# KiCad board 8851_HW-U1-VCU118_REV2-0_071417.kicad_pcb (continued)
## Routing (per net, layer and track width the routed paths; a pad name or vN(x,y) marks a point on that pad's centre or on a via; arc(x,y) is an arc through that point) (continued)
  05_SIG2 w0.234: v2(129.17,43.15) 128.93,42.91 arc(130.33,41.97) 128.68,42.3 128.68,40.88 arc(129.31,41) 128.77,40.64 128.89,40.53
PCIE_RX13_N: length 71.9
  TOP w0.145: U2.B71 115.8,5.44 arc(115.75,5.66) 115.63,5.85 115.61,5.87 arc(116.56,6.51) 115.43,6.29 115.43,9.35 arc(115.28,9.73) 114.9,9.88 114.75,9.88 arc(114.69,9.9) 114.63,9.93 v3(114.32,10.24) ; v2(131.14,42.17) 130.65,42.66
  05_SIG2 w0.18: v3(114.32,10.24) 114.03,9.95 arc(113.97,9.91) 113.9,9.9 113.04,9.9 arc(113.62,11.3) 112.22,10.72 112.22,10.93 arc(112.28,11.08) 112.43,11.14 112.5,11.14 arc(112.69,11.22) 112.77,11.42 112.77,11.59 arc(112.69,11.78) 112.5,11.86 arc(112.69,12.33) 112.22,12.14 112.22,12.31 arc(112.3,12.5) 112.5,12.58 arc(112.7,12.67) 112.79,12.87 112.79,13.01 arc(112.7,13.21) 112.5,13.3 arc(112.69,13.77) 112.22,13.58 112.22,13.82 arc(112.16,14.14) 111.98,14.41 111.42,14.97 arc(112.25,15.52) 111.27,15.32 111.27,16.35 arc(112.66,16.08) 111.48,16.87 111.67,17.06 arc(111.83,17.29) 111.88,17.57 111.88,18.02 arc(111.8,18.46) 111.54,18.84 111.44,18.94 arc(111.31,19.14) 111.26,19.38 111.26,19.56 arc(113.03,19.21) 111.53,20.21 112.19,20.87 arc(112.93,21.37) 113.8,21.54 116.8,21.54 arc(117.12,21.6) 117.39,21.79 118.04,22.43 arc(118.41,22.72) 118.84,22.91 arc(119.16,23.05) 119.42,23.27 120.03,23.88 arc(120.17,24.03) 120.28,24.2 arc(120.32,24.28) 120.34,24.37 120.41,24.89 arc(120.41,24.89) 120.41,24.9 120.41,24.91 arc(120.55,25.26) 120.78,25.55 124.05,28.83 arc(124.16,28.99) 124.2,29.18 arc(124.26,29.5) 124.44,29.77 126.7,32.02 arc(127.41,33.09) 127.66,34.34 127.66,34.96 arc(127.88,36.08) 128.52,37.02 130.59,39.09 arc(131.03,39.76) 131.19,40.55 131.19,42.05 arc(131.18,42.11) v2(131.14,42.17)
PCIE_RX13_P: length 80.7
  TOP w0.145: v2(131.14,43.15) 130.65,43.64 ; U2.B70 114.81,5.44 arc(114.86,5.66) 114.98,5.85 115,5.87 arc(115.13,6.06) 115.18,6.29 115.18,9.35 arc(115.1,9.54) 114.9,9.62 114.75,9.62 arc(114.69,9.61) 114.64,9.58 v3(114.32,9.26)
  05_SIG2 w0.18: v3(114.32,9.26) 114.03,9.55 arc(113.97,9.59) 113.9,9.6 113.04,9.6 arc(113.83,11.51) 111.92,10.72 111.92,13.82 arc(111.88,14.02) 111.76,14.2 111.21,14.75 arc(112.52,15.63) 110.97,15.32 110.97,16.35 arc(112.94,15.96) 111.27,17.08 111.46,17.27 arc(111.55,17.41) 111.58,17.57 111.58,18.02 arc(111.52,18.35) 111.33,18.63 111.23,18.73 arc(112.75,19.74) 110.96,19.38 110.96,19.56 arc(113.31,19.09) 111.32,20.42 111.98,21.09 arc(112.82,21.64) 113.8,21.84 116.8,21.84 arc(117,21.88) 117.18,22 117.83,22.65 arc(118.26,22.98) 118.76,23.19 arc(119,23.3) 119.19,23.47 arc(119.2,23.47) 119.2,23.47 119.2,23.47 arc(119.3,23.58) 119.4,23.67 119.82,24.09 arc(119.93,24.22) 120.02,24.35 arc(120.04,24.38) 120.04,24.41 120.11,24.94 arc(120.11,24.95) 120.11,24.96 120.12,24.98 arc(120.29,25.4) 120.57,25.76 123.84,29.04 arc(123.88,29.1) 123.9,29.18 123.9,29.18 arc(123.99,29.61) 124.23,29.98 126.49,32.24 arc(127.13,33.2) 127.36,34.34 127.36,34.96 arc(127.61,36.19) 128.3,37.24 130.37,39.3 arc(130.75,39.88) 130.89,40.55 130.89,41.57 130.88,41.6 arc(130.84,41.72) 130.77,41.82 130.76,41.83
  05_SIG2 w0.234: v2(131.14,43.15) 130.88,42.89 arc(132.17,42.03) 130.65,42.33 130.65,42.1 arc(130.67,41.96) 130.76,41.83
PCIE_RX14_N: length 60.1
  TOP w0.145: v3(118.26,10.24) 118.57,9.93 arc(118.62,9.9) 118.69,9.88 118.84,9.88 arc(119.21,9.73) 119.37,9.35 119.37,6.29 arc(120.5,6.51) 119.54,5.87 119.56,5.85 arc(119.69,5.66) 119.73,5.44 U2.B75 ; v2(133.11,42.17) 132.62,42.66
  05_SIG2 w0.18: v3(118.26,10.24) 117.97,9.95 arc(117.91,9.91) 117.84,9.9 117.47,9.9 arc(117.68,10.39) 117.18,10.19 arc(117.1,10.39) 116.89,10.48 116.75,10.48 arc(116.55,10.39) 116.46,10.19 arc(116.38,9.99) 116.17,9.9 arc(116.81,11.44) 115.27,10.8 115.27,11.79 arc(115.36,12) 115.58,12.09 arc(115.79,12.18) 115.88,12.4 115.88,12.51 arc(115.79,12.72) 115.58,12.81 arc(115.79,13.33) 115.27,13.12 115.27,14.44 arc(115.33,14.7) 115.47,14.93 arc(115.6,15.12) 115.65,15.35 115.65,16.52 arc(115.57,16.95) 115.32,17.32 arc(115.24,17.44) 115.21,17.58 115.21,17.95 arc(115.26,18.2) 115.4,18.42 arc(115.68,18.83) 115.78,19.31 arc(116.08,20.04) 116.8,20.34 117.17,20.34 arc(118.01,20.5) 118.72,20.98 121.14,23.4 arc(121.4,23.8) 121.5,24.27 121.5,24.48 arc(121.54,24.69) 121.66,24.86 125.7,28.9 125.71,28.92 arc(125.8,29.03) 125.91,29.12 125.91,29.12 arc(126.23,29.45) 126.35,29.9 arc(126.4,30.1) 126.51,30.26 127.6,31.35 arc(128.52,32.72) 128.84,34.34 128.91,35.39 arc(129.02,35.83) 129.28,36.21 132.28,39.21 arc(132.9,40.12) 133.15,41.18 arc(133.15,41.19) 133.15,41.19 arc(133.16,41.26) 133.16,41.33 133.16,41.51 arc(133.16,41.56) 133.15,41.61 arc(133.13,41.7) 133.11,41.78 arc(133.17,41.79) 133.11,41.79 v2(133.11,42.17)
PCIE_RX14_P: length 64.6
  TOP w0.145: v2(133.11,43.15) 132.62,43.64 ; v3(118.26,9.26) 118.58,9.58 arc(118.63,9.61) 118.69,9.62 118.84,9.62 arc(119.03,9.54) 119.11,9.35 119.11,6.29 arc(119.07,6.06) 118.94,5.87 118.92,5.85 arc(118.79,5.66) 118.75,5.44 U2.B74
  05_SIG2 w0.18: v3(118.26,9.26) 117.97,9.55 arc(117.91,9.59) 117.84,9.6 116.17,9.6 arc(117.02,11.65) 114.97,10.8 114.97,14.44 arc(116.87,14.06) 115.26,15.14 arc(115.33,15.24) 115.35,15.35 115.35,16.52 arc(115.29,16.84) 115.11,17.11 arc(114.96,17.33) 114.91,17.58 114.91,17.95 arc(114.98,18.32) 115.19,18.63 arc(115.4,18.94) 115.48,19.31 arc(115.86,20.25) 116.8,20.64 117.17,20.64 arc(117.89,20.78) 118.5,21.19 120.93,23.61 arc(121.13,23.91) 121.2,24.27 121.2,24.48 arc(121.26,24.8) 121.45,25.08 125.46,29.09 arc(125.59,29.24) 125.75,29.37 125.75,29.37 arc(125.97,29.6) 126.05,29.91 arc(126.12,30.22) 126.3,30.48 127.39,31.56 arc(128.24,32.83) 128.54,34.34 arc(128.54,34.34) 128.54,34.35 128.61,35.41 arc(128.74,35.96) 129.06,36.42 132.07,39.42 arc(132.63,40.24) 132.85,41.2 132.85,41.2 arc(132.86,41.27) 132.86,41.33 132.86,41.51 arc(132.86,41.54) 132.85,41.57 132.83,41.67 arc(132.83,41.68) 132.83,41.68 arc(132.78,41.76) 132.72,41.83
  05_SIG2 w0.234: v2(133.11,43.15) 132.85,42.89 arc(134.13,42.03) 132.62,42.33 132.62,42.1 arc(132.64,41.96) 132.72,41.83
PCIE_RX15_N: length 72.3
  TOP w0.145: v3(122.19,10.24) 122.51,9.93 arc(122.56,9.9) 122.62,9.88 122.78,9.88 arc(123.15,9.73) 123.31,9.35 123.31,6.29 arc(124.43,6.51) 123.48,5.87 123.5,5.85 arc(123.63,5.66) 123.67,5.44 U2.B79 ; v2(135.08,42.17) 134.58,42.66
  05_SIG2 w0.18: v3(122.19,10.24) 121.91,9.95 arc(121.85,9.91) 121.78,9.9 120.94,9.9 arc(121.58,11.43) 120.05,10.8 120.05,11.54 arc(120.13,11.74) 120.32,11.82 arc(120.52,11.9) 120.6,12.1 120.6,12.26 arc(120.52,12.46) 120.32,12.54 arc(120.52,13.01) 120.05,12.82 120.05,12.98 arc(120.13,13.18) 120.32,13.26 arc(120.52,13.34) 120.6,13.54 120.6,13.7 arc(120.52,13.9) 120.32,13.98 arc(120.52,14.45) 120.05,14.26 120.05,19.16 arc(120.26,20.25) 120.88,21.17 122.11,22.4 arc(122.27,22.64) 122.32,22.91 122.32,23.01 arc(122.37,23.23) 122.5,23.42 123,23.93 arc(123.01,23.94) 123.03,23.96 arc(123.2,24.19) 123.35,24.44 arc(123.61,24.81) 123.91,25.16 129.39,30.64 arc(130.01,31.56) 130.22,32.64 130.22,34.21 arc(136.61,32.94) 131.19,36.56 134.51,39.87 arc(134.96,40.56) 135.13,41.37 135.13,42.05 arc(135.11,42.11) v2(135.08,42.17)
PCIE_RX15_P: length 61
  TOP w0.145: v2(135.08,43.15) 134.58,43.64 ; v3(122.19,9.26) 122.52,9.58 arc(122.57,9.61) 122.62,9.62 122.78,9.62 arc(122.97,9.54) 123.05,9.35 123.05,6.29 arc(123.01,6.06) 122.88,5.87 122.86,5.85 arc(122.73,5.66) 122.69,5.44 U2.B78
  05_SIG2 w0.18: v3(122.19,9.26) 121.91,9.55 arc(121.85,9.59) 121.78,9.6 120.94,9.6 arc(121.79,11.64) 119.75,10.8 119.75,19.16 arc(119.99,20.36) 120.67,21.38 121.9,22.61 arc(121.99,22.75) 122.02,22.91 122.02,23.01 arc(123.74,22.66) 122.28,23.64 122.78,24.13 arc(122.79,24.14) 122.79,24.15 arc(122.95,24.36) 123.09,24.59 arc(123.37,25) 123.7,25.37 129.18,30.86 arc(129.73,31.67) 129.92,32.64 129.92,34.21 arc(130.2,35.6) 130.98,36.77 134.29,40.08 arc(134.69,40.67) 134.83,41.37 134.83,41.54 arc(134.82,41.57) 134.82,41.61 arc(134.78,41.72) 134.71,41.82 134.69,41.83
  05_SIG2 w0.234: v2(135.08,43.15) 134.81,42.89 arc(136.1,42.03) 134.58,42.33 134.58,42.1 arc(134.61,41.96) 134.69,41.83
PCIE_TX0_C_N: length 19.8
  TOP w0.145: 64.22,15.38 64.22,14.07 v3(64.15,14)
  10_GND w0.16: U2.A17 62.65,5.31 arc(62.6,5.53) 62.48,5.73 62.43,5.77 arc(63.21,6.3) 62.29,6.11 62.29,7.38 arc(64.27,6.99) 62.59,8.11 63.12,8.65 arc(63.61,9.38) 63.79,10.25 63.79,13.57 arc(63.8,13.64) 63.83,13.69 v3(64.15,14)
PCIE_TX0_C_P: length 21
  TOP w0.145: 63.09,15.38 63.09,14.07 v3(63.16,14)
  10_GND w0.16: U2.A16 61.66,5.37 arc(62.56,5.19) 61.8,5.7 61.88,5.78 arc(61.99,5.94) 62.03,6.12 62.03,7.38 arc(64.51,6.89) 62.4,8.3 62.94,8.83 arc(63.37,9.48) 63.53,10.25 63.53,13.57 arc(63.51,13.64) 63.48,13.69 v3(63.16,14)
PCIE_TX0_N: length 80.1
  TOP w0.145: 64.22,16.36 64.22,17.67 v3(64.15,17.74) ; v2(112.44,47.09) 112.93,47.58
  07_SIG3 w0.18: v3(64.15,17.74) 63.86,18.03 arc(64.15,18.22) 63.81,18.15 63.81,18.36 arc(63.82,18.46) 63.88,18.55 63.99,18.7 arc(64.02,18.74) 64.06,18.77 arc(64.25,18.85) 64.44,18.77 64.5,18.71 arc(64.88,18.71) 64.88,19.1 64.82,19.15 arc(65.28,19.35) 64.82,19.54 65.16,19.87 arc(65.3,20.09) 65.35,20.35 65.35,21.15 arc(65.43,21.34) 65.62,21.42 65.79,21.42 arc(66.06,21.69) 65.79,21.96 65.62,21.96 arc(65.82,22.42) 65.35,22.23 65.35,22.85 arc(65.23,23.5) 64.86,24.04 arc(66.37,25.05) 64.59,24.7 64.59,24.94 arc(64.73,25.63) 65.12,26.22 67.15,28.25 arc(67.87,28.73) 68.71,28.9 75.6,28.9 arc(75.92,28.96) 76.19,29.14 77.2,30.15 arc(77.93,30.64) 78.8,30.81 89.87,30.81 arc(90.79,30.99) 91.56,31.51 93.57,33.52 arc(94.77,34.32) 96.18,34.6 arc(97.15,34.79) 97.97,35.34 101.81,39.18 arc(103.04,40) 104.5,40.29 107.86,40.29 arc(108.05,40.33) 108.2,40.43 108.46,40.69 arc(108.59,40.89) 108.64,41.12 108.64,41.38 arc(109.5,41.24) 108.72,41.63 arc(108.74,41.66) 108.77,41.69 108.86,41.78
  07_SIG3 w0.234: 108.86,41.78 arc(108.96,41.93) 108.99,42.1 108.99,45.15 arc(109.13,45.48) 109.45,45.61 110.45,45.61 arc(110.61,45.64) 110.74,45.73 110.85,45.84 arc(110.91,45.94) 110.93,46.05 110.93,46.05 arc(110.97,46.24) 111.08,46.4 111.14,46.46 arc(111.27,46.56) 111.43,46.61 arc(111.67,46.68) 111.88,46.83 111.92,46.88 arc(112.05,46.98) 112.2,47.05 arc(112.32,47.08) v2(112.44,47.09)
PCIE_TX0_P: length 79.5
  TOP w0.145: v3(63.16,17.74) 63.09,17.67 63.09,16.36 ; v2(112.44,48.07) 112.93,48.57
  07_SIG3 w0.18: v3(63.16,17.74) 63.45,18.03 arc(63.49,18.09) 63.51,18.15 63.51,18.36 arc(63.54,18.56) 63.64,18.74 63.76,18.89 63.76,18.9 63.85,18.98 arc(63.85,18.99) 63.85,18.99 64.95,20.09 arc(65.03,20.21) 65.05,20.35 65.05,22.85 arc(64.95,23.38) 64.65,23.83 arc(66.65,25.17) 64.29,24.7 64.29,24.94 arc(64.45,25.75) 64.9,26.43 66.94,28.46 arc(67.75,29.01) 68.71,29.2 75.6,29.2 arc(75.8,29.24) 75.98,29.35 76.98,30.36 arc(77.82,30.92) 78.8,31.11 89.87,31.11 arc(90.67,31.27) 91.35,31.72 93.36,33.73 arc(94.65,34.59) 96.18,34.9 arc(97.03,35.07) 97.76,35.55 101.6,39.39 arc(102.93,40.28) 104.5,40.59 107.86,40.59 arc(107.93,40.61) 107.99,40.65 108.25,40.91 arc(108.32,41.01) 108.34,41.12 108.34,41.47 arc(108.33,41.55) 108.29,41.61 108.18,41.71
  07_SIG3 w0.234: v2(112.44,48.07) 112.12,47.75 arc(112.06,47.7) 111.99,47.66 arc(111.89,47.61) 111.78,47.59 arc(111.74,47.58) 111.7,47.58 111.28,47.58 arc(111.06,47.49) 110.96,47.26 110.96,47.08 arc(110.81,46.72) 110.46,46.57 109.36,46.57 arc(109.1,46.47) 108.99,46.21 arc(108.82,45.79) 108.39,45.61 108.33,45.61 arc(108.1,45.52) 108.01,45.29 108.01,42.13 arc(109.15,42.35) 108.18,41.71
PCIE_TX1_C_N: length 18
  TOP w0.145: v3(68.45,17.25) 68.52,17.32 68.52,18.63
  10_GND w0.16: U2.A22 67.57,5.33 arc(67.53,5.52) 67.42,5.68 67.35,5.75 arc(68.13,6.28) 67.21,6.09 67.21,7.37 arc(67.32,7.91) 67.62,8.38 67.83,8.58 arc(68.02,8.86) 68.09,9.2 68.09,16.82 arc(68.1,16.89) 68.13,16.94 v3(68.45,17.25)
PCIE_TX1_C_P: length 15.7
  TOP w0.145: v3(67.46,17.25) 67.39,17.32 67.39,18.63
  10_GND w0.16: U2.A21 66.58,5.3 arc(66.63,5.52) 66.75,5.7 arc(66.9,5.92) 66.95,6.18 66.95,7.37 arc(67.08,8.01) 67.44,8.56 67.64,8.76 arc(67.78,8.96) 67.83,9.2 67.83,16.82 arc(67.81,16.89) 67.78,16.94 v3(67.46,17.25)
PCIE_TX1_N: length 72.3
  TOP w0.145: v3(68.45,20.99) 68.52,20.92 68.52,19.61 ; v2(114.41,47.09) 114.9,47.58
  07_SIG3 w0.18: 110.84,41.76 110.73,41.65 arc(111.64,41.04) 110.57,41.25 110.57,41.25 arc(110.51,40.93) 110.33,40.66 109.09,39.42 arc(108.82,39.24) 108.5,39.18 104.84,39.18 arc(103.71,38.95) 102.75,38.31 98.32,33.88 arc(97.75,33.5) 97.07,33.36 96.12,33.36 arc(95.49,33.1) 95.23,32.47 95.23,31.98 arc(95.18,31.73) 95.04,31.52 94.66,31.14 arc(94.35,30.93) 93.98,30.86 93.51,30.86 arc(92.62,30.68) 91.86,30.17 91.74,30.05 arc(91.28,29.75) 90.75,29.64 80.16,29.64 arc(79.75,29.56) 79.4,29.33 78.04,27.98 arc(77.75,27.79) 77.39,27.72 71.21,27.72 arc(71.02,27.64) 70.94,27.45 70.94,27.08 arc(70.67,27.35) 70.4,27.08 70.4,27.45 arc(70.32,27.64) 70.13,27.72 69.21,27.72 arc(68.28,27.33) 67.9,26.41 67.9,22.94 arc(68.07,23.01) 68,22.84 arc(68.07,22.81) 68.1,22.74 68.1,22.22 arc(68.07,22.15) 68,22.12 arc(67.93,22.09) 67.9,22.02 67.9,21.69 arc(68.6,21.83) 68.01,21.43 v3(68.45,20.99)
  07_SIG3 w0.234: 110.84,41.76 arc(110.93,41.89) 110.96,42.04 110.96,43.14 arc(111,43.31) 111.09,43.45 111.19,43.55 arc(111.29,43.62) 111.41,43.64 111.47,43.64 arc(111.81,43.78) 111.95,44.12 111.95,45.21 arc(112.35,45.15) 111.97,45.31 arc(111.97,45.31) 111.97,45.31 arc(111.99,45.33) 112.01,45.35 112.18,45.53 arc(112.28,45.59) 112.38,45.61 arc(112.77,45.77) 112.93,46.16 arc(113.06,46.47) 113.37,46.6 113.41,46.6 arc(113.65,46.65) 113.85,46.78 113.99,46.92 arc(114.18,47.04) v2(114.41,47.09)
PCIE_TX1_P: length 68.2
  TOP w0.145: v2(114.41,48.07) 114.9,48.57 ; v3(67.46,20.99) 67.39,20.92 67.39,19.61
  07_SIG3 w0.18: 110.08,41.8 110.19,41.68 arc(110.25,41.6) 110.27,41.5 110.27,41.25 arc(110.23,41.05) 110.11,40.87 108.88,39.64 arc(108.7,39.52) 108.5,39.48 104.84,39.48 arc(103.6,39.23) 102.54,38.53 98.11,34.09 arc(97.63,33.78) 97.07,33.66 96.12,33.66 arc(95.28,33.31) 94.93,32.47 94.93,31.98 arc(94.9,31.84) 94.83,31.73 94.45,31.36 arc(94.23,31.21) 93.98,31.16 93.51,31.16 arc(92.5,30.96) 91.65,30.39 91.52,30.26 arc(91.17,30.03) 90.75,29.94 80.16,29.94 arc(79.63,29.84) 79.18,29.54 77.83,28.2 arc(77.63,28.06) 77.39,28.02 69.21,28.02 arc(68.07,27.55) 67.6,26.41 67.6,21.12 arc(67.6,21.12) 67.6,21.12 v3(67.46,20.99)
  07_SIG3 w0.234: v2(114.41,48.07) 114.09,47.75 arc(113.9,47.63) 113.67,47.58 113.25,47.58 arc(113.02,47.49) 112.93,47.26 112.93,47.07 arc(112.92,46.96) 112.88,46.85 arc(112.71,46.65) 112.46,46.57 112.34,46.57 arc(112.06,46.46) 111.95,46.18 arc(111.91,45.98) 111.8,45.82 111.71,45.73 arc(111.58,45.64) 111.43,45.61 arc(111.09,45.47) 110.95,45.14 110.95,45.05 arc(110.93,44.95) 110.87,44.86 110.74,44.73 arc(110.63,44.66) 110.5,44.63 110.3,44.63 arc(110.07,44.53) 109.98,44.31 109.98,42.05 arc(110.65,42.18) 110.08,41.8
PCIE_TX2_C_N: length 11.7
  TOP w0.145: v3(71.4,13.52) 71.47,13.59 71.47,14.89
  10_GND w0.16: v3(71.4,13.52) 71.27,13.38 arc(71.16,13.23) 71.12,13.04 71.12,6.2 arc(71.16,6.02) 71.27,5.86 71.38,5.75 arc(71.47,5.61) 71.51,5.43 U2.A26
PCIE_TX2_C_P: length 14.6
  TOP w0.145: v3(70.42,13.52) 70.35,13.59 70.35,14.89
  10_GND w0.16: v3(70.42,13.52) 70.72,13.21 arc(70.83,13.05) 70.87,12.87 70.87,6.27 arc(70.82,6.06) 70.7,5.88 arc(71.69,5.21) 70.52,5.44 U2.A25
PCIE_TX2_N: length 72.9
  TOP w0.145: 71.47,15.88 71.47,17.18 v3(71.4,17.25) ; v2(117.36,47.09) 116.87,47.58
  07_SIG3 w0.18: 114.69,41.75 114.65,41.7 arc(114.58,41.6) 114.54,41.48 arc(114.54,41.47) 114.54,41.46 arc(115.56,41.42) 114.54,41.44 arc(114.51,41.27) 114.42,41.14 114.27,40.99 arc(114.27,40.98) 114.26,40.98 110.48,37.2 arc(110.21,37.02) 109.89,36.96 107.46,36.96 arc(107.24,36.91) 107.05,36.79 103.89,33.63 arc(103.78,33.45) 103.74,33.25 103.74,32.44 arc(103.45,31.76) 102.77,31.48 101.29,31.48 arc(100.38,31.32) 99.59,30.86 arc(99.58,30.85) 99.58,30.85 99.45,30.74 96.72,28.01 arc(95.7,27.33) 94.48,27.09 90.39,27.09 arc(89.75,26.96) 89.22,26.6 88.72,26.1 arc(88.45,25.92) 88.13,25.86 83.14,25.86 arc(82.56,25.74) 82.06,25.41 81.47,24.81 arc(81.27,24.52) 81.2,24.18 81.2,21.61 arc(81.14,21.27) 80.95,20.99 78.61,18.65 arc(78.34,18.47) 78.02,18.41 75.61,18.41 arc(75.42,18.33) 75.34,18.14 75.34,17.95 arc(75.07,18.22) 74.8,17.95 74.8,18.14 arc(74.72,18.33) 74.53,18.41 73.2,18.41 arc(73.02,18.33) 72.94,18.15 arc(72.87,17.97) 72.69,17.9 72.66,17.9 arc(72.84,18.33) 72.4,18.15 arc(72.33,18.33) 72.15,18.41 71.6,18.41 arc(71.22,18.25) 71.06,17.87 71.06,17.67 arc(71.4,17.74) 71.11,17.54 v3(71.4,17.25)
  07_SIG3 w0.234: v2(117.36,47.09) 117,47.09 arc(116.89,47.06) 116.83,46.97 arc(117.18,46.88) 116.81,46.91 116.81,46.63 arc(116.75,46.31) 116.58,46.05 115.98,45.45 arc(115.91,45.35) 115.88,45.22 115.88,44.09 arc(115.85,43.94) 115.77,43.82 115.68,43.73 arc(115.55,43.65) 115.4,43.62 arc(115.19,43.57) 115.02,43.46 arc(114.95,43.35) 114.92,43.23 114.92,42.08 arc(114.91,41.99) 114.86,41.91 114.69,41.75
PCIE_TX2_P: length 79.3
  TOP w0.145: v3(70.42,17.25) 70.35,17.18 70.35,15.88 ; v2(117.36,48.07) 116.87,48.57
  07_SIG3 w0.18: v3(70.42,17.25) 70.71,17.54 arc(70.74,17.6) 70.76,17.67 70.76,17.87 arc(71,18.46) 71.6,18.71 78.02,18.71 arc(78.23,18.75) 78.4,18.86 80.73,21.2 arc(80.86,21.39) 80.9,21.61 80.9,24.18 arc(83.21,23.72) 81.25,25.03 81.85,25.62 arc(82.44,26.02) 83.14,26.16 88.13,26.16 arc(88.33,26.2) 88.51,26.31 89,26.81 arc(89.64,27.24) 90.39,27.39 94.48,27.39 arc(95.58,27.6) 96.51,28.23 99.24,30.95 arc(99.25,30.96) 99.26,30.97 99.39,31.08 arc(99.39,31.08) 99.39,31.09 arc(100.28,31.6) 101.29,31.78 102.77,31.78 arc(103.24,31.97) 103.44,32.44 103.44,33.25 arc(105.05,32.93) 103.68,33.84 106.84,37 arc(107.13,37.19) 107.46,37.26 109.89,37.26 arc(110.1,37.3) 110.27,37.42 114.05,41.2 arc(114.12,41.3) 114.15,41.42 114.15,41.52 arc(114.13,41.61) 114.1,41.69 arc(114.08,41.72) 114.05,41.76
  07_SIG3 w0.234: v2(117.36,48.07) 116.93,48.07 arc(116.83,48.05) 116.75,48 116.75,48 arc(116.54,47.68) 116.46,47.3 116.46,46.69 arc(116.42,46.51) 116.32,46.35 115.87,45.9 115.81,45.82 arc(115.78,45.78) 115.74,45.74 arc(115.61,45.66) 115.46,45.63 115.37,45.63 arc(115.19,45.59) 115.04,45.49 arc(114.93,45.33) 114.89,45.14 114.89,44.07 arc(114.77,43.78) 114.49,43.67 arc(114.23,43.62) 114.02,43.47 arc(113.92,43.32) 113.88,43.14 113.88,42.16 arc(114.97,42.37) 114.05,41.76
PCIE_TX3_C_N: length 16.6
  TOP w0.145: v3(75.69,16) 75.76,16.07 75.76,17.38
  10_GND w0.16: U2.A30 75.44,5.41 arc(75.42,5.54) 75.34,5.66 75.21,5.79 arc(75.99,6.31) 75.07,6.13 75.07,11.15 arc(75.1,11.32) 75.2,11.47 arc(75.3,11.62) 75.33,11.79 75.33,15.57 arc(75.34,15.64) 75.38,15.69 v3(75.69,16)
PCIE_TX3_C_P: length 14.3
  TOP w0.145: v3(74.71,16) 74.64,16.07 74.64,17.38
  10_GND w0.16: v3(74.71,16) 75.03,15.69 arc(75.06,15.64) 75.07,15.57 75.07,11.79 arc(75.06,11.72) 75.02,11.65 arc(74.86,11.42) 74.81,11.15 74.81,6.1 arc(74.75,5.83) 74.6,5.6 arc(74.5,5.44) 74.46,5.26 U2.A29
PCIE_TX3_N: length 73.3
  TOP w0.145: v3(75.69,19.74) 75.76,19.67 75.76,18.36 ; v2(119.33,47.09) 118.84,47.58
  07_SIG3 w0.18: 112.81,41.84 112.62,41.64 arc(112.92,41.44) 112.56,41.51 112.56,41.26 arc(112.5,40.93) 112.31,40.65 109.97,38.32 arc(109.7,38.13) 109.38,38.07 105.15,38.07 arc(104.2,37.88) 103.39,37.34 95.82,29.77 arc(95.09,29.28) 94.22,29.11 92.89,29.11 arc(92.62,29.05) 92.39,28.9 92.26,28.77 arc(91.99,28.58) 91.66,28.52 82.4,28.52 arc(81.5,28.34) 80.73,27.83 77.14,24.24 arc(77.6,24.05) 77.14,23.86 77.29,23.71 arc(77.29,23.33) 76.9,23.33 76.76,23.48 arc(76.57,23.55) 76.38,23.48 75.85,22.94 arc(75.48,22.4) 75.35,21.75 75.35,21.34 arc(75.81,21.53) 75.62,21.07 75.7,21.07 arc(75.97,20.8) 75.7,20.53 75.54,20.53 arc(75.41,20.47) 75.35,20.34 75.35,20.15 arc(75.7,20.22) 75.4,20.03 v3(75.69,19.74)
  07_SIG3 w0.234: v2(119.33,47.09) 119.02,47.4 arc(120.01,48.07) 118.84,47.84 118.84,48.2 arc(118.73,48.46) 118.47,48.57 116.11,48.57 arc(115.94,48.49) 115.86,48.32 115.86,47.1 arc(115.72,46.74) 115.36,46.6 115.35,46.6 arc(115.13,46.54) 114.97,46.37 114.96,46.35 arc(114.91,46.24) 114.9,46.11 arc(114.75,45.76) 114.4,45.61 114.39,45.61 arc(114.05,45.47) 113.91,45.14 113.91,44.1 arc(113.78,43.78) 113.45,43.64 113.37,43.64 arc(113.26,43.62) 113.18,43.57 113.06,43.44 arc(113.76,42.98) 112.93,43.14 112.93,42.12 arc(112.9,41.96) 112.81,41.84
PCIE_TX3_P: length 78.8
  TOP w0.145: v2(119.33,48.07) 118.84,48.57 ; 74.64,18.36 74.64,19.67 v3(74.71,19.74)
  07_SIG3 w0.18: 112.07,41.8 112.22,41.65 arc(112.25,41.6) 112.26,41.55 112.26,41.26 arc(112.22,41.05) 112.1,40.87 109.76,38.53 arc(109.58,38.41) 109.38,38.37 105.15,38.37 arc(104.09,38.16) 103.18,37.55 95.61,29.98 arc(94.97,29.55) 94.22,29.41 92.89,29.41 arc(92.5,29.33) 92.18,29.11 92.05,28.98 arc(91.87,28.86) 91.66,28.82 82.4,28.82 arc(81.38,28.62) 80.52,28.04 75.63,23.16 arc(78.87,20.99) 75.05,21.75 75.05,20.15 arc(75.04,20.09) 75,20.03 v3(74.71,19.74)
  07_SIG3 w0.234: v2(119.33,48.07) 119.33,48.23 arc(119.29,48.4) 119.19,48.55 118.97,48.78 arc(118.88,48.9) 118.86,49.05 118.86,49.19 arc(118.83,49.32) 118.76,49.43 arc(118.62,49.52) 118.47,49.55 115.21,49.55 arc(114.99,49.46) 114.9,49.24 114.9,47.08 arc(114.85,46.88) 114.72,46.73 114.66,46.69 arc(114.52,46.62) 114.37,46.6 arc(114.25,46.57) 114.14,46.51 114.05,46.41 arc(114,46.35) 113.96,46.3 arc(114.8,45.98) 113.91,46.09 arc(113.88,45.91) 113.78,45.76 113.76,45.74 arc(113.64,45.66) 113.5,45.63 113.43,45.63 arc(113.08,45.49) 112.93,45.13 112.93,44.19 arc(112.89,44) 112.79,43.85 112.69,43.74 arc(112.58,43.67) 112.46,43.65 112.4,43.65 arc(112.08,43.52) 111.95,43.19 111.95,42.1 arc(112.76,42.26) 112.07,41.8
PCIE_TX4_C_N: length 12.3
  TOP w0.145: v3(80.75,13.88) 80.82,13.95 80.82,15.26
  10_GND w0.16: U2.A36 81.35,5.47 arc(81.33,5.57) 81.27,5.65 81.26,5.67 arc(81.07,5.94) 81.01,6.26 81.01,10.24 arc(80.89,10.84) 80.55,11.35 arc(80.43,11.53) 80.39,11.74 80.39,13.46 arc(80.4,13.52) 80.44,13.57 v3(80.75,13.88)
PCIE_TX4_C_P: length 12.3
  TOP w0.145: v3(79.77,13.88) 79.7,13.95 79.7,15.26
  10_GND w0.16: v3(79.77,13.88) 80.08,13.57 arc(80.12,13.52) 80.13,13.46 80.13,11.74 arc(80.19,11.43) 80.37,11.17 arc(80.65,10.74) 80.75,10.24 80.75,6.2 arc(80.71,6.02) 80.61,5.86 80.53,5.78 arc(80.41,5.6) 80.36,5.39 U2.A35
PCIE_TX4_N: length 71.1
  TOP w0.145: v3(80.75,17.62) 80.82,17.55 80.82,16.24 ; v2(121.3,47.09) 120.8,47.58
  07_SIG3 w0.18: v3(80.75,17.62) 80.46,17.91 arc(80.76,18.1) 80.41,18.04 80.41,18.24 arc(81.08,18.11) 80.51,18.49 80.79,18.77 arc(80.95,18.83) 81.1,18.77 arc(81.26,18.7) 81.41,18.77 81.48,18.84 arc(81.55,19) 81.48,19.15 arc(81.86,19.3) 81.48,19.46 81.56,19.53 arc(81.71,19.6) 81.87,19.53 arc(82.02,19.47) 82.17,19.53 82.25,19.6 arc(82.31,19.76) 82.25,19.91 arc(82.62,20.07) 82.25,20.22 82.77,20.75 arc(82.96,20.87) 83.18,20.92 85.32,20.92 arc(85.76,21) 86.13,21.25 88.2,23.32 arc(88.38,23.59) 88.44,23.91 arc(88.5,24.2) 88.67,24.45 89.59,25.37 arc(90.13,25.74) 90.78,25.86 95.02,25.86 arc(96.52,26.16) 97.79,27.01 100.44,29.66 arc(100.92,29.98) 101.49,30.09 102.78,30.09 arc(103.4,30.21) 103.92,30.56 104.57,31.22 arc(104.73,31.45) 104.79,31.74 arc(106.31,31.43) 105.02,32.3 108.25,35.52 arc(108.61,35.77) 109.04,35.85 110.36,35.85 arc(110.69,35.91) 110.96,36.1 115.97,41.11 arc(116.15,41.38) 116.22,41.7 116.22,42.86 arc(118.27,42.45) 116.53,43.62 116.67,43.76 arc(116.82,43.98) 116.87,44.25 116.87,44.43 arc(116.88,44.48) 116.91,44.54 arc(116.94,44.57) 116.98,44.6 arc(117.01,44.62) 117.04,44.62 arc(117.06,44.63) 117.07,44.63 117.16,44.63
  07_SIG3 w0.234: v2(121.3,47.09) 121.18,47.09 arc(121,47.05) 120.85,46.95 120.62,46.72 arc(120.48,46.63) 120.31,46.6 120.26,46.6 arc(120.01,46.52) 119.85,46.32 119.84,46.28 arc(119.82,46.24) 119.82,46.2 arc(119.65,45.78) 119.24,45.61 118.33,45.61 arc(117.97,45.46) 117.81,45.1 117.81,44.91 arc(117.73,44.71) 117.53,44.63 117.16,44.63
PCIE_TX4_P: length 68.7
  TOP w0.145: v2(121.3,48.07) 120.8,48.57 ; 79.7,16.24 79.7,17.55 v3(79.77,17.62)
  07_SIG3 w0.18: 117.19,45.59 117.06,45.45 arc(116.97,45.32) 116.94,45.17 116.94,45.04 arc(116.91,44.94) 116.84,44.87 arc(116.73,44.79) 116.65,44.7 arc(116.59,44.57) 116.57,44.43 116.57,44.25 arc(116.54,44.1) 116.46,43.97 116.32,43.83 arc(116.02,43.39) 115.92,42.86 115.92,41.7 arc(115.87,41.49) 115.76,41.32 110.75,36.31 arc(110.57,36.19) 110.36,36.15 109.04,36.15 arc(108.49,36.04) 108.03,35.74 104.81,32.51 arc(106.59,31.32) 104.49,31.74 arc(104.45,31.57) 104.36,31.43 103.7,30.77 arc(103.28,30.49) 102.78,30.39 101.49,30.39 arc(100.8,30.26) 100.22,29.87 97.58,27.23 arc(96.41,26.44) 95.02,26.16 90.78,26.16 arc(90.02,26.01) 89.38,25.58 88.45,24.66 arc(88.22,24.31) 88.14,23.91 arc(88.1,23.7) 87.99,23.53 85.92,21.47 arc(85.64,21.28) 85.32,21.22 83.18,21.22 arc(82.84,21.15) 82.56,20.96 80.3,18.7 arc(81.36,17.99) 80.11,18.24 80.11,18.04 arc(80.1,17.97) 80.06,17.91 v3(79.77,17.62)
  07_SIG3 w0.234: v2(121.3,48.07) 120.98,47.75 arc(120.79,47.63) 120.56,47.58 120.25,47.58 arc(119.95,47.45) 119.82,47.15 119.82,47.07 arc(119.81,46.96) 119.77,46.84 arc(119.6,46.65) 119.35,46.57 118.27,46.57 arc(118.11,46.54) 117.97,46.45 arc(118.66,45.98) 117.84,46.15 arc(117.79,45.91) 117.66,45.71 117.65,45.7 arc(117.52,45.62) 117.37,45.59 117.19,45.59
